# KiCad board mxm_immobilizer.kicad_pcb (continued)
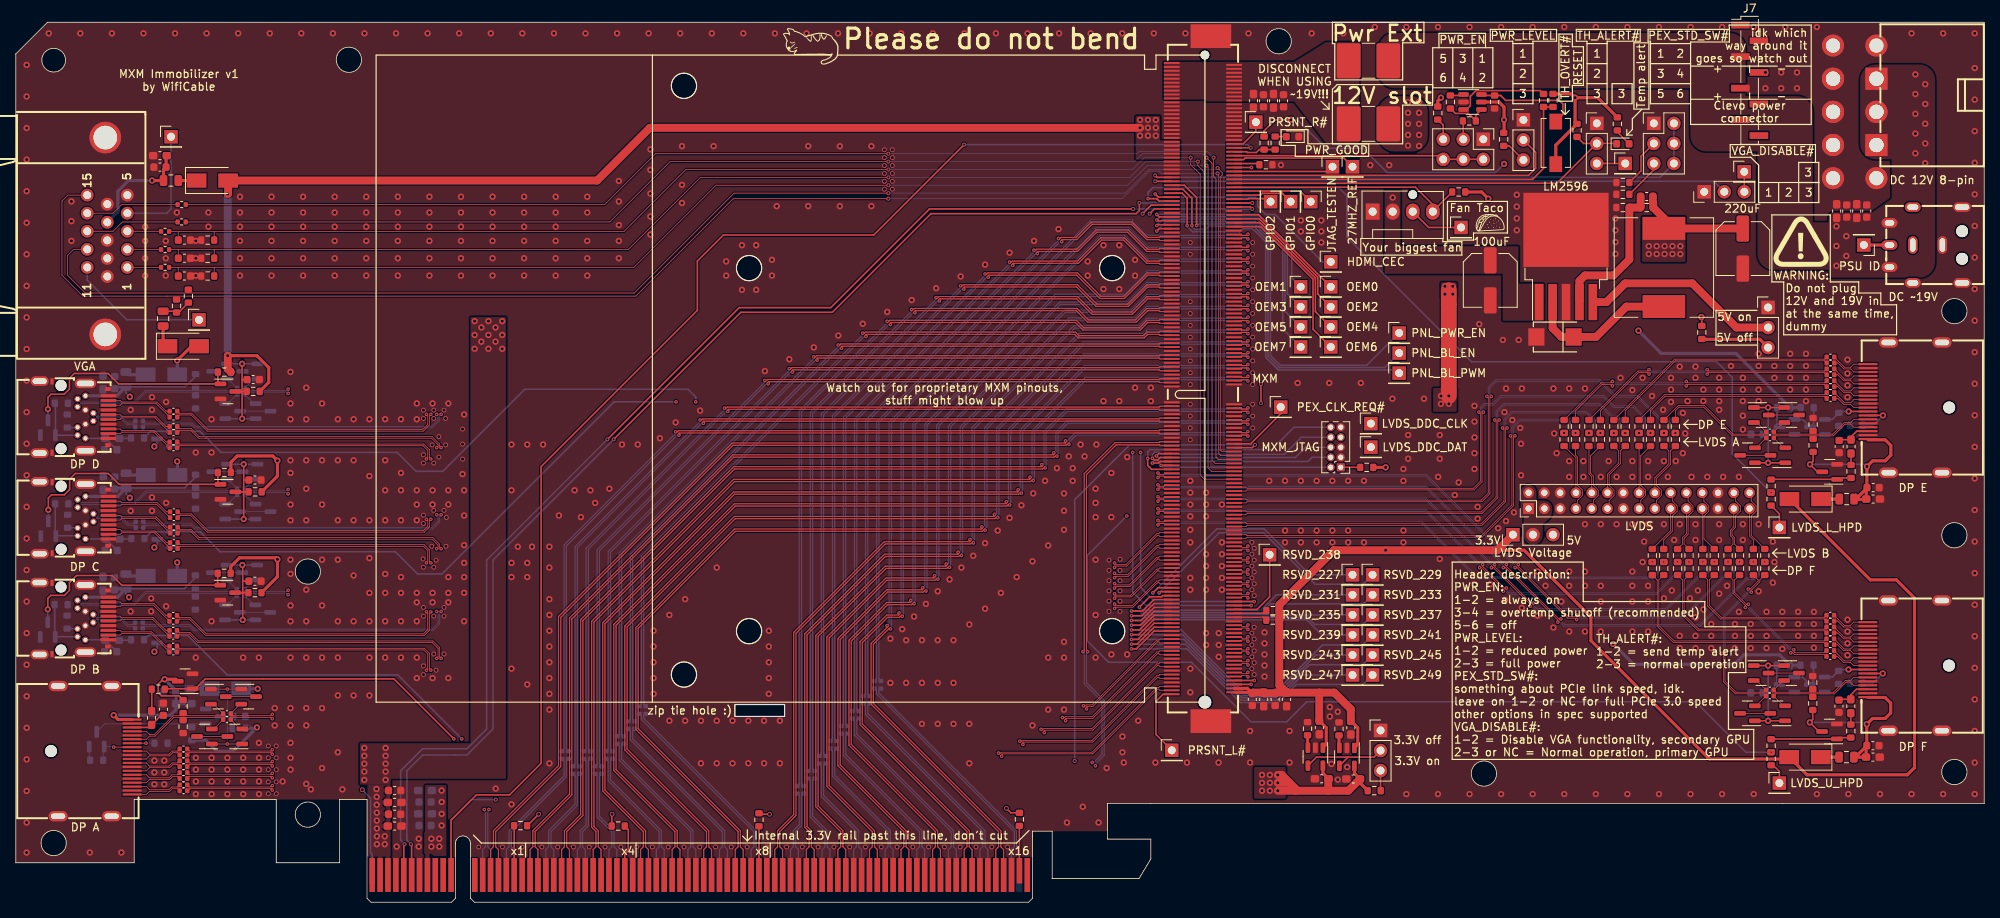
[diagram p0: board, top side]
## Placement (name value [footprint] x y rotation side) (continued)
TP7  HDMI_CEC  [PinHeader_1x01_P2.54mm_Vertical]  166.59 81.15 0 top
TP8  OEM1  [PinHeader_1x01_P2.54mm_Vertical]  162.78 77.98 0 top
TP9  OEM3  [PinHeader_1x01_P2.54mm_Vertical]  162.78 75.44 0 top
TP10  OEM5  [PinHeader_1x01_P2.54mm_Vertical]  162.78 72.9 0 top
TP11  OEM7  [PinHeader_1x01_P2.54mm_Vertical]  162.78 70.36 0 top
TP12  RSVD_227  [PinHeader_1x01_P2.54mm_Vertical]  169.35 41.49 0 top
TP13  RSVD_229  [PinHeader_1x01_P2.54mm_Vertical]  171.89 41.49 0 top
TP14  RSVD_231  [PinHeader_1x01_P2.54mm_Vertical]  169.35 38.95 0 top
TP15  RSVD_233  [PinHeader_1x01_P2.54mm_Vertical]  171.89 38.95 0 top
TP16  RSVD_235  [PinHeader_1x01_P2.54mm_Vertical]  169.35 36.41 0 top
TP17  RSVD_237  [PinHeader_1x01_P2.54mm_Vertical]  171.89 36.41 0 top
TP18  RSVD_239  [PinHeader_1x01_P2.54mm_Vertical]  169.35 33.87 0 top
TP19  RSVD_241  [PinHeader_1x01_P2.54mm_Vertical]  171.89 33.87 0 top
TP20  RSVD_243  [PinHeader_1x01_P2.54mm_Vertical]  169.35 31.33 0 top
TP21  RSVD_245  [PinHeader_1x01_P2.54mm_Vertical]  171.89 31.33 0 top
TP22  RSVD_247  [PinHeader_1x01_P2.54mm_Vertical]  169.35 28.79 0 top
TP23  RSVD_249  [PinHeader_1x01_P2.54mm_Vertical]  171.89 28.79 0 top
TP24  PRSNT_L#  [PinHeader_1x01_P2.54mm_Vertical]  146.45 19.25 0 top
TP25  RSVD_238  [PinHeader_1x01_P2.54mm_Vertical]  158.85 44.03 0 top
TP26  PRSNT_R#  [PinHeader_1x01_P2.54mm_Vertical]  157.1 98.85 0 top
TP27  27MHZ_REF  [PinHeader_1x01_P2.54mm_Vertical]  169.35 93.2 0 top
TP28  JTAG_TESTEN  [PinHeader_1x01_P2.54mm_Vertical]  166.81 93.2 0 top
TP29  GPIO0  [PinHeader_1x01_P2.54mm_Vertical]  164.05 88.77 270 top
TP30  GPIO1  [PinHeader_1x01_P2.54mm_Vertical]  161.51 88.77 270 top
TP31  GPIO2  [PinHeader_1x01_P2.54mm_Vertical]  158.97 88.77 270 top
TP32  OEM0  [PinHeader_1x01_P2.54mm_Vertical]  166.59 77.98 0 top
TP33  OEM2  [PinHeader_1x01_P2.54mm_Vertical]  166.59 75.44 0 top
TP34  OEM4  [PinHeader_1x01_P2.54mm_Vertical]  166.59 72.9 0 top
TP35  OEM6  [PinHeader_1x01_P2.54mm_Vertical]  166.59 70.36 0 top
TP36  PEX_CLK_REQ#  [PinHeader_1x01_P2.54mm_Vertical]  160.25 62.74 0 top
TP37  Fan_Taco  [PinHeader_1x01_P2.54mm_Vertical]  183.1 85.5 0 top
TP38  TH_ALERT#_POS2  [PinHeader_1x01_P2.54mm_Vertical]  203.9 93.61 0 top
TP39  PSU_ID  [PinHeader_1x01_P2.54mm_Vertical]  234.13 83.28 180 top
TP40  LVDS_DDC_CLK  [PinHeader_1x01_P2.54mm_Vertical]  171.67 60.65 0 top
TP41  LVDS_DDC_DAT  [PinHeader_1x01_P2.54mm_Vertical]  171.67 57.66 0 top
TP42  LVDS_U_HPD  [PinHeader_1x01_P2.54mm_Vertical]  223.43 15.1 0 top
TP43  LVDS_L_HPD  [PinHeader_1x01_P2.54mm_Vertical]  223.43 47.49 0 top
U1  sy6280  [SOT-23-5]  168.64 18.41 270 top
U2  sy6280  [SOT-23-5]  164.65 18.44 270 top
U3  74LVC1G373  [SOT-23-6]  184.55 101.4 0 top
U4  LM2596S-5  [TO-263-5_TabPin3]  196.4 81.82 90 top
VGA1  DB15_Female_HighDensity_MountingHoles  [DSUB-TH_DS1038-15FBNSIA74-0CC]  11.59 84.42 270 top

## Library data of the parts
8-Pin-PWR1 8-Pin-PWR1#2 = -: JLC Part: Extended Part; LCSC Part: C2845789; Manufacturer: HCTL(华灿天禄)
C1-C116 = -: ki_fp_filters: C_*
C117-C148 = -: Description: Unpolarized capacitor, small symbol; ki_fp_filters: C_*
D1-D6 D16 D17 = -: ki_fp_filters: TO-???* *_Diode_* *SingleDiode* D_*
D11 D12 = -: ki_fp_filters: LED* LED_SMD:* LED_THT:*
D15 = -: Datasheet: https://lcsc.com/product-detail/Diodes-General-Purpose_SS52_C51497.html; JLC Part: Extended Part; LCSC Part: C51497; Manufacturer: MDD
DC1 = -: JLC Part: Extended Part; LCSC Part: C397340; Manufacturer: XKB Connectivity(中国星坤)
DP_A1 DP_E1 DP_F1 = -: Datasheet: https://lcsc.com/product-detail/Audio-Video-Connectors_HOAUC-HYC16-DP20-178_C711350.html; JLC Part: Extended Part; LCSC Part: C711350; Manufacturer: HOAUC
F1-F8 = -: ki_fp_filters: *polyfuse* *PTC*
FB1-FB5 = -: ki_fp_filters: Inductor_* L_* *Ferrite*
J1 J5 = -: ki_fp_filters: Connector*:*_2x??_*
J2-J4 J6 J7 J9-J11 = -: ki_fp_filters: Connector*:*_1x??_*
J8 = -: Datasheet: http://infocenter.arm.com/help/topic/com.arm.doc.ddi0314h/DDI0314H_coresight_components_trm.pdf; ki_fp_filters: PinHeader?2x05?P1.27mm*
L1-L7 = -: ki_fp_filters: Choke_* *Coil* Inductor_* L_*
M1 = -: Datasheet: http://www.formfactors.org/developer%5Cspecs%5Crev1_2_public.pdf; ki_fp_filters: FanPinHeader*P2.54mm*Vertical* PinHeader*P2.54mm*Vertical* TerminalBlock*
mDP_B1 mDP_C1 mDP_D1 = -: JLC Part: Extended Part; LCSC Part: C2895506; Manufacturer: FOXCONN(富士康)
MXM1 = -: JLC Part: Extended Part; LCSC Part: C426232; Manufacturer: FOXCONN(富士康)
PCIe_x16_1 = -: Datasheet: http://www.ritrontek.com/uploadfile/2016/1026/20161026105231124.pdf#page=63; ki_fp_filters: *PCIexpress*
Q1-Q36 = -: Datasheet: https://www.onsemi.com/pub/Collateral/NDS7002A-D.PDF; ki_fp_filters: SOT?23*
R1-R121 = -: ki_fp_filters: R_*
TP1-TP43 = -: ki_fp_filters: Pin* Test*
U1 U2 = -: ki_fp_filters: SOT?23*
U3 = -: Datasheet: http://www.ti.com/lit/sg/scyt129e/scyt129e.pdf; ki_fp_filters: SOT* SC*
U4 = -: Datasheet: http://www.ti.com/lit/ds/symlink/lm2596.pdf; ki_fp_filters: TO?263*
VGA1 = -: ki_fp_filters: DSUB*Female*

## Footprints (pads in the part's own frame, mm; a bottom-side part is the same pattern mirrored in y, then rotated)
BUS_PCIexpress_x16
  rect 0.7x3.2 smd far side: A1(0,0.55)
  rect 0.7x4.3 smd far side: A2(1,0) A3(2,0) A4(3,0) A5(4,0) A6(5,0) A7(6,0) A8(7,0) A9(8,0) A10(9,0) A11(10,0) A12(13,0) A13(14,0) A14(15,0) A15(16,0) A16(17,0) A17(18,0) A18(19,0) A19(20,0) A20(21,0) A21(22,0) A22(23,0) A23(24,0) A24(25,0) A25(26,0) A26(27,0) A27(28,0) A28(29,0) A29(30,0) A30(31,0) A31(32,0) A32(33,0) A33(34,0) A34(35,0) A35(36,0) A36(37,0) A37(38,0) A38(39,0) A39(40,0) A40(41,0) A41(42,0) A42(43,0) A43(44,0) A44(45,0) A45(46,0) A46(47,0) A47(48,0) A48(49,0) A49(50,0) A50(51,0) A51(52,0) A52(53,0) A53(54,0) A54(55,0) A55(56,0) A56(57,0) A57(58,0) A58(59,0) A59(60,0) A60(61,0) A61(62,0) A62(63,0) A63(64,0) A64(65,0) A65(66,0) A66(67,0) A67(68,0) A68(69,0) A69(70,0) A70(71,0) A71(72,0) A72(73,0) A73(74,0) A74(75,0) A75(76,0) A76(77,0) A77(78,0) A78(79,0) A79(80,0) A80(81,0) A81(82,0) A82(83,0)
  rect 0.7x4.3 smd: B1(0,0) B2(1,0) B3(2,0) B4(3,0) B5(4,0) B6(5,0) B7(6,0) B8(7,0) B9(8,0) B10(9,0) B11(10,0) B12(13,0) B13(14,0) B14(15,0) B15(16,0) B16(17,0) B17(18,0) B18(19,0) B19(20,0) B20(21,0) B21(22,0) B22(23,0) B23(24,0) B24(25,0) B25(26,0) B26(27,0) B27(28,0) B28(29,0) B29(30,0) B30(31,0) B31(32,0) B32(33,0) B33(34,0) B34(35,0) B35(36,0) B36(37,0) B37(38,0) B38(39,0) B39(40,0) B40(41,0) B41(42,0) B42(43,0) B43(44,0) B44(45,0) B45(46,0) B46(47,0) B47(48,0) B48(49,0) B49(50,0) B50(51,0) B51(52,0) B52(53,0) B53(54,0) B54(55,0) B55(56,0) B56(57,0) B57(58,0) B58(59,0) B59(60,0) B60(61,0) B61(62,0) B62(63,0) B63(64,0) B64(65,0) B65(66,0) B66(67,0) B67(68,0) B68(69,0) B69(70,0) B70(71,0) B71(72,0) B72(73,0) B73(74,0) B74(75,0) B75(76,0) B76(77,0) B77(78,0) B78(79,0) B79(80,0) B80(81,0) B82(83,0)
  rect 0.7x3.2 smd: B81(82,0.55)
C_0402_1005Metric
  rrect 0.56x0.62 smd: 1(-0.48,0) 2(0.48,0)
C_0603_1608Metric
  rrect 0.9x0.95 smd: 1(-0.775,0) 2(0.775,0)
C_0603_1608Metric_Pad1.08x0.95mm_HandSolder
  rrect 1.075x0.95 smd: 1(-0.863,0) 2(0.863,0)
C_Elec_6.3x7.7
  rrect 3.325x1.6 smd: 1(-2.538,0) 2(2.538,0)
CONN-SMD_3VM11201-D730-7H
  round 1.4 hole 1.4: (-4,-1.64) (4,-1.64)
  oval 1.2x2.3 hole 0.7x1.8: 0(-4.56,-4.36) 0(4.56,-4.36)
  rect 0.8x0.4 smd: 0(-4.52,-2.78) 0(4.52,-2.78)
  oval 1.2x2.7 hole 0.7x2.2: 0(-4.26,1.45) 0(4.26,1.45)
  rect 0.5x0.7 smd: 0(-3.55,4.3) 0(3.55,4.3)
  rect 0.4x2 smd: 1(2.7,4.36) 3(2.1,4.36) 5(1.5,4.36) 7(0.9,4.36) 9(0.3,4.36) 11(-0.3,4.36) 13(-0.9,4.36) 15(-1.5,4.36) 17(-2.1,4.36) 19(-2.7,4.36)
  round 0.8 hole 0.5: 2(2.7,1.45) 4(2.3,0.45) 6(1.3,0.45) 8(0.9,1.45) 10(0.5,2.45) 12(-0.5,2.45) 14(-0.9,1.45) 16(-1.3,0.45) 18(-2.3,0.45) 20(-2.7,1.45)
CONN-SMD_AS0B826-S78B-7H
  round 1.1 hole 1.1: (-41,0.25)
  round 1.6 hole 1.6: (41,0.25)
  rect 0.25x2 smd: 1(-30,-3.95) 2(-29.75,3.95) 3(-29.5,-3.95) 4(-29.25,3.95) 5(-29,-3.95) 6(-28.75,3.95) 7(-28.5,-3.95) 8(-28.25,3.95) 9(-28,-3.95) 10(-27.75,3.95) 11(-27.5,-3.95) 12(-27.25,3.95) 13(-27,-3.95) 14(-26.75,3.95) 15(-26.5,-3.95) 16(-26.25,3.95) 17(-26,-3.95) 18(-25.75,3.95) 19(-25.5,-3.95) 20(-25.25,3.95) 21(-25,-3.95) 22(-24.75,3.95) 23(-24.5,-3.95) 24(-24.25,3.95) 25(-24,-3.95) 26(-23.75,3.95) 27(-23.5,-3.95) 28(-23.25,3.95) 29(-23,-3.95) 30(-22.75,3.95) 31(-22.5,-3.95) 32(-22.25,3.95) 33(-22,-3.95) 34(-21.75,3.95) 35(-21.5,-3.95) 36(-21.25,3.95) 37(-21,-3.95) 38(-20.75,3.95) 39(-20.5,-3.95) 40(-20.25,3.95) 41(-20,-3.95) 42(-19.75,3.95) 43(-19.5,-3.95) 44(-19.25,3.95) 45(-19,-3.95) 46(-18.75,3.95) 47(-18.5,-3.95) 48(-18.25,3.95) 49(-18,-3.95) 50(-17.75,3.95) 51(-17.5,-3.95) 52(-17.25,3.95) 53(-17,-3.95) 54(-16.75,3.95) 55(-16.5,-3.95) 56(-16.25,3.95) 57(-16,-3.95) 58(-15.75,3.95) 59(-15.5,-3.95) 60(-15.25,3.95) 61(-15,-3.95) 62(-14.75,3.95) 63(-14.5,-3.95) 64(-14.25,3.95) 65(-14,-3.95) 66(-13.75,3.95) 67(-13.5,-3.95) 68(-13.25,3.95) 69(-13,-3.95) 70(-12.75,3.95) 71(-12.5,-3.95) 72(-12.25,3.95) 73(-12,-3.95) 74(-11.75,3.95) 75(-11.5,-3.95) 76(-11.25,3.95) 77(-11,-3.95) 78(-10.75,3.95) 79(-10.5,-3.95) 80(-10.25,3.95) 81(-10,-3.95) 82(-9.75,3.95) 83(-9.5,-3.95) 84(-9.25,3.95) 85(-9,-3.95) 86(-8.75,3.95) 87(-8.5,-3.95) 88(-8.25,3.95) 89(-8,-3.95) 90(-7.75,3.95) 91(-7.5,-3.95) 92(-7.25,3.95) 93(-7,-3.95) 94(-6.75,3.95) 95(-6.5,-3.95) 96(-6.25,3.95) 97(-6,-3.95) 98(-5.75,3.95) 99(-5.5,-3.95) 100(-5.25,3.95) 101(-5,-3.95) 102(-4.75,3.95) 103(-4.5,-3.95) 104(-4.25,3.95) 105(-4,-3.95) 106(-3.75,3.95) 107(-3.5,-3.95) 108(-3.25,3.95) 109(-3,-3.95) 110(-2.75,3.95) 111(-2.5,-3.95) 112(-2.25,3.95) 113(-2,-3.95) 114(-1.75,3.95) 115(-1.5,-3.95) 116(-1.25,3.95) 117(-1,-3.95) 118(-0.75,3.95) 119(-0.5,-3.95) 120(-0.25,3.95) 121(0,-3.95) 122(0.25,3.95) 123(0.5,-3.95) 124(0.75,3.95) 125(1,-3.95) 133(3,-3.95) 134(3.25,3.95) 135(3.5,-3.95) 136(3.75,3.95) 137(4,-3.95) 138(4.25,3.95) 139(4.5,-3.95) 140(4.75,3.95) 141(5,-3.95) 142(5.25,3.95) 143(5.5,-3.95) 144(5.75,3.95) 145(6,-3.95) 146(6.25,3.95) 147(6.5,-3.95) 148(6.75,3.95) 149(7,-3.95) 150(7.25,3.95) 151(7.5,-3.95) 152(7.75,3.95) 153(8,-3.95) 154(8.25,3.95) 155(8.5,-3.95) 156(8.75,3.95) 157(9,-3.95) 158(9.25,3.95) 159(9.5,-3.95) 160(9.75,3.95) 161(10,-3.95) 162(10.25,3.95) 163(10.5,-3.95) 164(10.75,3.95) 165(11,-3.95) 166(11.25,3.95) 167(11.5,-3.95) 168(11.75,3.95) 169(12,-3.95) 170(12.25,3.95) 171(12.5,-3.95) 172(12.75,3.95) 173(13,-3.95) 174(13.25,3.95) 175(13.5,-3.95) 176(13.75,3.95) 177(14,-3.95) 178(14.25,3.95) 179(14.5,-3.95) 180(14.75,3.95) 181(15,-3.95) 182(15.25,3.95) 183(15.5,-3.95) 184(15.75,3.95) 185(16,-3.95) 186(16.25,3.95) 187(16.5,-3.95) 188(16.75,3.95) 189(17,-3.95) 190(17.25,3.95) 191(17.5,-3.95) 192(17.75,3.95) 193(18,-3.95) 194(18.25,3.95) 195(18.5,-3.95) 196(18.75,3.95) 197(19,-3.95) 198(19.25,3.95) 199(19.5,-3.95) 200(19.75,3.95) 201(20,-3.95) 202(20.25,3.95) 203(20.5,-3.95) 204(20.75,3.95) 205(21,-3.95) 206(21.25,3.95) 207(21.5,-3.95) 208(21.75,3.95) 209(22,-3.95) 210(22.25,3.95) 211(22.5,-3.95) 212(22.75,3.95) 213(23,-3.95) 214(23.25,3.95) 215(23.5,-3.95) 216(23.75,3.95) 217(24,-3.95) 218(24.25,3.95) 219(24.5,-3.95) 220(24.75,3.95) 221(25,-3.95) 222(25.25,3.95) 223(25.5,-3.95) 224(25.75,3.95) 225(26,-3.95) 226(26.25,3.95) 227(26.5,-3.95) 228(26.75,3.95) 229(27,-3.95) 230(27.25,3.95) 231(27.5,-3.95) 232(27.75,3.95) 233(28,-3.95) 234(28.25,3.95) 235(28.5,-3.95) 236(28.75,3.95) 237(29,-3.95) 238(29.25,3.95) 239(29.5,-3.95) 240(29.75,3.95) 241(30,-3.95) 242(30.25,3.95) 243(30.5,-3.95) 244(30.75,3.95) 245(31,-3.95) 246(31.25,3.95) 247(31.5,-3.95) 248(31.75,3.95) 249(32,-3.95) 250(32.25,3.95) 251(32.5,-3.95) 252(32.75,3.95) 253(33,-3.95) 254(33.25,3.95) 255(33.5,-3.95) 256(33.75,3.95) 257(34,-3.95) 258(34.25,3.95) 259(34.5,-3.95) 260(34.75,3.95) 261(35,-3.95) 262(35.25,3.95) 263(35.5,-3.95) 264(35.75,3.95) 265(36,-3.95) 266(36.25,3.95) 267(36.5,-3.95) 268(36.75,3.95) 269(37,-3.95) 270(37.25,3.95) 271(37.5,-3.95) 272(37.75,3.95) 273(38,-3.95) 274(38.25,3.95) 275(38.5,-3.95) 276(38.75,3.95) 277(39,-3.95) 278(39.25,3.95) 279(39.5,-3.95) 280(39.75,3.95) 281(40,-3.95) E1(-40,-3.95) E1(-39.5,-3.95) E1(-39,-3.95) E1(-38.5,-3.95) E1(-38,-3.95) E1(-37.5,-3.95) E1(-37,-3.95) E1(-36.5,-3.95) E1(-36,-3.95) E1(-35.5,-3.95) E2(-39.75,3.95) E2(-39.25,3.95) E2(-38.75,3.95) E2(-38.25,3.95) E2(-37.75,3.95) E2(-37.25,3.95) E2(-36.75,3.95) E2(-36.25,3.95) E2(-35.75,3.95) E2(-35.25,3.95) E3(-35,-3.95) E3(-34.5,-3.95) E3(-34,-3.95) E3(-33.5,-3.95) E3(-33,-3.95) E3(-32.5,-3.95) E3(-32,-3.95) E3(-31.5,-3.95) E3(-31,-3.95) E3(-30.5,-3.95) E4(-34.75,3.95) E4(-34.25,3.95) E4(-33.75,3.95) E4(-33.25,3.95) E4(-32.75,3.95) E4(-32.25,3.95) E4(-31.75,3.95) E4(-31.25,3.95) E4(-30.75,3.95) E4(-30.25,3.95)
  rect 3x5.15 smd: 282(43.4,1) 283(-43.4,1)
CONN-TH_8P-P4.20_5557-2X4AW
  rect 2.8x2.8 hole 1.8: 1(-6.3,-2.75)
  round 2.8 hole 1.8: 2(-6.3,2.75) 3(-2.1,-2.75) 4(-2.1,2.75) 5(2.1,-2.75) 6(2.1,2.75) 7(6.3,-2.75) 8(6.3,2.75)
D_SMA
  rect 2.5x1.8 smd: 1(-2,0) 2(2,0)
DC-IN-TH_DC-042E
  round 1.5 hole 1.5: (-1.75,-4.6) (1.75,-4.6)
  oval 1.2x2 hole 0.7x1.4: 1(-4.8,1.65) 1(4.8,1.65)
  oval 1.2x2.2 hole 0.7x1.8: 1(-4.8,-4.6) 1(4.8,-4.6)
  oval 2.2x1.2 hole 1.7x0.7: 2(0,1.65) 2(0,-2.1)
  oval 1.2x2 hole 0.7x1.2: 3(-2.8,4.6) 3(2.8,4.6) 4(0,4.6)
DP-SMD_HYC16-DP20-178
  round 1.5 hole 1.5: (0,-5.59)
  rect 0.28x2.4 smd: 1(5.5,4.69) 2(5,4.69) 3(4.5,4.69) 4(4,4.69) 5(3.5,4.69) 6(3,4.69) 7(2.5,4.69) 8(2,4.69) 9(1.5,4.69) 10(1,4.69) 11(0.5,4.69) 12(0,4.69) 13(-0.5,4.69) 14(-1,4.69) 15(-1.5,4.69) 16(-2,4.69) 17(-2.5,4.69) 18(-3,4.69) 19(-3.5,4.69) 20(-4,4.69)
  oval 1.3x2.4 hole 0.7x1.8: 21(-8.25,2.09) 22(-8.25,-4.69) 23(8.25,-4.69) 24(8.25,2.09)
DSUB-TH_DS1038-15FBNSIA74-0CC
  round 4 hole 3: 0(-12.47,-0.25) 0(12.47,-0.25)
  round 1.6 hole 1: 1(3.98,2.54) 2(1.69,2.54) 3(-0.6,2.54) 4(-2.89,2.54) 5(-5.18,2.54) 6(5.13,0) 7(2.84,0) 8(0.55,0) 9(-1.74,0) 10(-4.04,0) 11(3.98,-2.54) 12(1.69,-2.54) 13(-0.6,-2.54) 14(-2.89,-2.54) 15(-5.18,-2.54)
FanPinHeader_1x04_P2.54mm_Vertical
  round 1.1 hole 1.1 unplated: (5.08,2.16)
  rect 1.73x2.03 hole 1.02: 1(0,0)
  oval 1.73x2.03 hole 1.02: 2(2.54,0) 3(5.08,0) 4(7.62,0)
Fuse_0805_2012Metric
  rrect 0.975x1.4 smd: 1(-0.938,0) 2(0.938,0)
L_12x12mm_H8mm
  rect 2.9x5.4 smd: 1(-4.95,0) 2(4.95,0)
L_0603_1608Metric_Pad1.05x0.95mm_HandSolder
  rrect 1.05x0.95 smd: 1(-0.875,0) 2(0.875,0)
LED_0603_1608Metric
  rrect 0.875x0.95 smd: 1(-0.787,0) 2(0.787,0)
PinHeader_1x01_P2.54mm_Vertical
  rect 1.7x1.7 hole 1: 1(0,0)
PinHeader_1x03_P2.54mm_Vertical
  rect 1.7x1.7 hole 1: 1(0,0)
  oval 1.7x1.7 hole 1: 2(0,-2.54) 3(0,-5.08)
PinHeader_1x08_P2.00mm_Vertical_SMD_Pin1Left
  rect 2.35x0.85 smd: 1(-1.175,7) 2(1.175,5) 3(-1.175,3) 4(1.175,1) 5(-1.175,-1) 6(1.175,-3) 7(-1.175,-5) 8(1.175,-7)
PinHeader_2x03_P2.54mm_Vertical
  rect 1.7x1.7 hole 1: 1(0,0)
  oval 1.7x1.7 hole 1: 2(2.54,0) 3(0,-2.54) 4(2.54,-2.54) 5(0,-5.08) 6(2.54,-5.08)
PinHeader_2x05_P1.27mm_Vertical
  rect 1x1 hole 0.65: 1(0,0)
  oval 1x1 hole 0.65: 2(1.27,0) 3(0,-1.27) 4(1.27,-1.27) 5(0,-2.54) 6(1.27,-2.54) 7(0,-3.81) 8(1.27,-3.81) 9(0,-5.08) 10(1.27,-5.08)
PinHeader_2x15_P2.00mm_Vertical
  rect 1.35x1.35 hole 0.8: 1(0,0)
  oval 1.35x1.35 hole 0.8: 2(2,0) 3(0,-2) 4(2,-2) 5(0,-4) 6(2,-4) 7(0,-6) 8(2,-6) 9(0,-8) 10(2,-8) 11(0,-10) 12(2,-10) 13(0,-12) 14(2,-12) 15(0,-14) 16(2,-14) 17(0,-16) 18(2,-16) 19(0,-18) 20(2,-18) 21(0,-20) 22(2,-20) 23(0,-22) 24(2,-22) 25(0,-24) 26(2,-24) 27(0,-26) 28(2,-26) 29(0,-28) 30(2,-28)
R_0402_1005Metric
  rrect 0.54x0.64 smd: 1(-0.51,0) 2(0.51,0)
R_0603_1608Metric
  rrect 0.8x0.95 smd: 1(-0.825,0) 2(0.825,0)
R_2816_7142Metric
  rrect 3.025x4.45 smd: 1(-2.513,0) 2(2.513,0)
SMB_L4.6-W3.6-LS5.3-RD
  rect 2.05x2.19 smd: 1(-2.36,0) 2(2.36,0)
SOT-23
  rrect 1.475x0.6 smd: 1(-0.938,0.95) 2(-0.938,-0.95) 3(0.938,0)
SOT-23-5
  rrect 1.325x0.6 smd: 1(-1.137,0.95) 2(-1.137,0) 3(-1.137,-0.95) 4(1.137,-0.95) 5(1.137,0.95)
SOT-23-6
  rrect 1.325x0.6 smd: 1(-1.137,0.95) 2(-1.137,0) 3(-1.137,-0.95) 4(1.137,-0.95) 5(1.137,0) 6(1.137,0.95)
SW_SPST_EVQPE1
  rect 2x1.6 smd: 1(-2.7,0) 2(2.7,0)
TO-263-5_TabPin3
  rect 4.55x5.25 smd: (0.95,2.775) (0.95,-2.775) (5.8,2.775) (5.8,-2.775)
  rect 4.6x1.1 smd: 1(-5.775,3.4) 2(-5.775,1.7) 3(-5.775,0) 4(-5.775,-1.7) 5(-5.775,-3.4)
  rect 9.4x10.8 smd: 3(3.375,0)

## Nets
3V3_CURRLIM: C66.1 C67.1 C68.1 C69.1 C72.1 C73.1 D2.2 D3.2 D4.2 D5.2 D6.2 D16.2 D17.2 J10.1 MXM1.278 MXM1.280 R37.2 R38.2 R100.2 U1.1 U2.1
3V3_DP_A: C7.1 C8.1 D10.3 DP_A1.20 F3.2 R31.1
3V3_DP_B: C6.2 C47.2 D9.3 F2.2 mDP_B1.20 R28.1
3V3_DP_C: C5.2 C46.2 D8.3 F5.2 mDP_C1.20 R25.1
3V3_DP_D: C4.2 C45.2 D7.3 F4.2 mDP_D1.20 R22.1
3V3_DP_E: C112.2 C113.2 D13.3 DP_E1.20 F7.2 R108.1
3V3_DP_F: C114.2 C115.2 D14.3 DP_F1.20 F8.2 R111.1
3V3_SLOT: C70.1 C71.1 C76.2 C81.2 C84.2 C86.2 PCIe_x16_1.A9 PCIe_x16_1.A10 PCIe_x16_1.B8 R41.2 R42.1 R43.1 R44.1 R45.1 R47.1 R71.1 R72.1 R101.2 SW1.1 U1.5 U2.5 U3.5
3V3_VGA: F6.2 R1.2 R2.1
5V_REG: C95.1 C116.2 D1.2 J10.3 L5.2 MXM1.1 MXM1.3 MXM1.5 MXM1.7 MXM1.9 R18.2 R19.2 R20.2 R21.2 R24.2 R27.2 R30.2 R33.2 R106.2 R109.2 R112.2 R113.2 R118.1
5V_VGA: C1.2 C2.2 F1.1 VGA1.9
12V_SLOT: C77.1 C82.1 C85.1 C87.1 C92.1 M1.2 PCIe_x16_1.A2 PCIe_x16_1.A3 PCIe_x16_1.B1 PCIe_x16_1.B2 PCIe_x16_1.B3 R36.1 U4.1
GND: 8-Pin-PWR1.2 8-Pin-PWR1.4 8-Pin-PWR1.6 8-Pin-PWR1.7 8-Pin-PWR1.8 8-Pin-PWR1#2.2 8-Pin-PWR1#2.4 8-Pin-PWR1#2.6 8-Pin-PWR1#2.7 8-Pin-PWR1#2.8 C1.1 C2.1 C3.1 C4.1 C5.1 C6.1 C7.2 C8.2 C17.2 C26.2 C35.2 C44.1 C45.1 C46.1 C47.1 C48.1 C49.1 C58.1 C59.1 C60.1 C61.1 C62.2 C63.2 C64.2 C65.2 C66.2 C67.2 C68.2 C69.2 C70.2 C71.2 C72.2 C73.2 C74.2 C75.2 C76.1 C77.2 C78.2 C79.1 C80.1 C81.1 C82.2 C83.2 C84.1 C85.2 C86.1 C87.2 C92.2 C93.1 C94.1 C95.2 C112.1 C113.1 C114.1 C115.1 D7.2 D8.2 D9.2 D10.2 D11.1 D13.2 D14.2 D15.2 DC1.1 DC1.2 DP_A1.2 DP_A1.5 DP_A1.8 DP_A1.11 DP_A1.16 DP_A1.19 DP_A1.21 DP_A1.22 DP_A1.23 DP_A1.24 DP_E1.2 DP_E1.5 DP_E1.8 DP_E1.11 DP_E1.16 DP_E1.19 DP_E1.21 DP_E1.22 DP_E1.23 DP_E1.24 DP_F1.2 DP_F1.5 DP_F1.8 DP_F1.11 DP_F1.16 DP_F1.19 DP_F1.21 DP_F1.22 DP_F1.23 DP_F1.24 J1.1 J2.1 J3.1 J4.1 J5.1 J6.1 J7.5 J7.6 J7.7 J7.8 J8.3 J8.5 J8.9 J9.1 J11.4 J11.5 J11.6 J11.13 J11.14 J11.25 J11.26 M1.1 mDP_B1.0 mDP_B1.1 mDP_B1.7 mDP_B1.8 mDP_B1.13 mDP_B1.14 mDP_B1.19 mDP_C1.0 mDP_C1.1 mDP_C1.7 mDP_C1.8 mDP_C1.13 mDP_C1.14 mDP_C1.19 mDP_D1.0 mDP_D1.1 mDP_D1.7 mDP_D1.8 mDP_D1.13 mDP_D1.14 mDP_D1.19 MXM1.11 MXM1.13 MXM1.15 MXM1.17 MXM1.36 MXM1.37 MXM1.46 MXM1.47 MXM1.52 MXM1.53 MXM1.58 MXM1.59 MXM1.64 MXM1.65 MXM1.70 MXM1.71 MXM1.76 MXM1.77 MXM1.82 MXM1.83 MXM1.88 MXM1.89 MXM1.94 MXM1.95 MXM1.100 MXM1.101 MXM1.106 MXM1.107 MXM1.112 MXM1.113 MXM1.118 MXM1.119 MXM1.124 MXM1.125 MXM1.133 MXM1.134 MXM1.139 MXM1.140 MXM1.145 MXM1.146 MXM1.151 MXM1.152 MXM1.157 MXM1.166 MXM1.173 MXM1.174 MXM1.179 MXM1.180 MXM1.185 MXM1.186 MXM1.191 MXM1.192 MXM1.197 MXM1.198 MXM1.203 MXM1.204 MXM1.209 MXM1.210 MXM1.215 MXM1.216 MXM1.221 MXM1.222 MXM1.228 MXM1.244 MXM1.250 MXM1.251 MXM1.256 MXM1.257 MXM1.262 MXM1.263 MXM1.268 MXM1.269 MXM1.275 MXM1.282 MXM1.283 MXM1.E3 MXM1.E4 PCIe_x16_1.A4 PCIe_x16_1.A12 PCIe_x16_1.A15 PCIe_x16_1.A18 PCIe_x16_1.A20 PCIe_x16_1.A23 PCIe_x16_1.A24 PCIe_x16_1.A27 PCIe_x16_1.A28 PCIe_x16_1.A31 PCIe_x16_1.A34 PCIe_x16_1.A37 PCIe_x16_1.A38 PCIe_x16_1.A41 PCIe_x16_1.A42 PCIe_x16_1.A45 PCIe_x16_1.A46 PCIe_x16_1.A49 PCIe_x16_1.A51 PCIe_x16_1.A54 PCIe_x16_1.A55 PCIe_x16_1.A58 PCIe_x16_1.A59 PCIe_x16_1.A62 PCIe_x16_1.A63 PCIe_x16_1.A66 PCIe_x16_1.A67 PCIe_x16_1.A70 PCIe_x16_1.A71 PCIe_x16_1.A74 PCIe_x16_1.A75 PCIe_x16_1.A78 PCIe_x16_1.A79 PCIe_x16_1.A82 PCIe_x16_1.B4 PCIe_x16_1.B7 PCIe_x16_1.B13 PCIe_x16_1.B16 PCIe_x16_1.B18 PCIe_x16_1.B21 PCIe_x16_1.B22 PCIe_x16_1.B25 PCIe_x16_1.B26 PCIe_x16_1.B29 PCIe_x16_1.B32 PCIe_x16_1.B35 PCIe_x16_1.B36 PCIe_x16_1.B39 PCIe_x16_1.B40 PCIe_x16_1.B43 PCIe_x16_1.B44 PCIe_x16_1.B47 PCIe_x16_1.B49 PCIe_x16_1.B52 PCIe_x16_1.B53 PCIe_x16_1.B56 PCIe_x16_1.B57 PCIe_x16_1.B60 PCIe_x16_1.B61 PCIe_x16_1.B64 PCIe_x16_1.B65 PCIe_x16_1.B68 PCIe_x16_1.B69 PCIe_x16_1.B72 PCIe_x16_1.B73 PCIe_x16_1.B76 PCIe_x16_1.B77 PCIe_x16_1.B80 Q1.2 Q2.2 Q3.2 Q4.2 Q5.2 Q6.2 Q7.2 Q8.2 Q33.2 Q34.2 Q35.2 Q36.2 R3.1 R7.1 R8.1 R9.1 R10.1 R11.1 R13.1 R14.1 R15.1 R16.1 R17.1 R23.2 R26.2 R29.2 R32.2 R34.1 R35.1 R39.2 R73.2 R74.1 R75.1 R107.2 R110.2 R114.2 R115.2 R119.1 R120.1 R121.2 U1.2 U2.2 U3.2 U4.3 VGA1.0 VGA1.5 VGA1.6 VGA1.7 VGA1.8 VGA1.10
/C_RX0+: C118.2 MXM1.147
/C_RX0-: C117.2 MXM1.149
/C_RX1+: C120.2 MXM1.141
/C_RX1-: C119.2 MXM1.143
/C_RX2+: C122.2 MXM1.135
/C_RX2-: C121.2 MXM1.137
/C_RX3+: C124.2 MXM1.121
/C_RX3-: C123.2 MXM1.123
/C_RX4+: C126.2 MXM1.115
/C_RX4-: C125.2 MXM1.117
/C_RX5+: C130.2 MXM1.109
/C_RX5-: C129.2 MXM1.111
/C_RX6+: C128.2 MXM1.103
/C_RX6-: C127.2 MXM1.105
/C_RX7+: C132.2 MXM1.97
/C_RX7-: C131.2 MXM1.99
/C_RX8+: C134.2 MXM1.91
/C_RX8-: C133.2 MXM1.93
/C_RX9+: C136.2 MXM1.85
/C_RX9-: C135.2 MXM1.87
/C_RX10+: C138.2 MXM1.79
/C_RX10-: C137.2 MXM1.81
/C_RX11+: C140.2 MXM1.73
/C_RX11-: C139.2 MXM1.75
/C_RX12+: C142.2 MXM1.67
/C_RX12-: C141.2 MXM1.69
/C_RX13+: C144.2 MXM1.61
/C_RX13-: C143.2 MXM1.63
/C_RX14+: C146.2 MXM1.55
/C_RX14-: C145.2 MXM1.57
/C_RX15+: C148.2 MXM1.49
/C_RX15-: C147.2 MXM1.51
/DP_A_C_AUX+: C57.2 DP_A1.15 Q16.2 R32.1
/DP_A_C_AUX-: C56.2 DP_A1.17 Q15.2 R31.2
/DP_A_C_L0+: C43.2 DP_A1.1
/DP_A_C_L0-: C42.2 DP_A1.3
/DP_A_C_L1+: C41.2 DP_A1.4
/DP_A_C_L1-: C40.2 DP_A1.6
/DP_A_C_L2+: C39.2 DP_A1.7
/DP_A_C_L2-: C38.2 DP_A1.9
/DP_A_C_L3+: C37.2 DP_A1.10
/DP_A_C_L3-: C36.2 DP_A1.12
/DP_B_C_AUX+: C55.2 mDP_B1.16 Q14.2 R29.1
/DP_B_C_AUX-: C54.2 mDP_B1.18 Q13.2 R28.2
/DP_B_C_L0+: C29.2 mDP_B1.12
/DP_B_C_L0-: C31.2 mDP_B1.10
/DP_B_C_L1+: C27.2 mDP_B1.17
/DP_B_C_L1-: C28.2 mDP_B1.15
/DP_B_C_L2+: C30.2 mDP_B1.11
/DP_B_C_L2-: C32.2 mDP_B1.9
/DP_B_C_L3+: C33.2 mDP_B1.5
/DP_B_C_L3-: C34.2 mDP_B1.3
/DP_C_C_AUX+: C53.2 mDP_C1.16 Q12.2 R26.1
/DP_C_C_AUX-: C52.2 mDP_C1.18 Q11.2 R25.2
/DP_C_C_L0+: C20.2 mDP_C1.12
/DP_C_C_L0-: C22.2 mDP_C1.10
/DP_C_C_L1+: C18.2 mDP_C1.17
/DP_C_C_L1-: C19.2 mDP_C1.15
/DP_C_C_L2+: C21.2 mDP_C1.11
/DP_C_C_L2-: C23.2 mDP_C1.9
/DP_C_C_L3+: C24.2 mDP_C1.5
/DP_C_C_L3-: C25.2 mDP_C1.3
/DP_D_C_AUX+: C51.2 mDP_D1.16 Q10.2 R23.1
/DP_D_C_AUX-: C50.2 mDP_D1.18 Q9.2 R22.2
/DP_D_C_L0+: C11.2 mDP_D1.12
/DP_D_C_L0-: C13.2 mDP_D1.10
/DP_D_C_L1+: C9.2 mDP_D1.17
/DP_D_C_L1-: C10.2 mDP_D1.15
/DP_D_C_L2+: C12.2 mDP_D1.11
/DP_D_C_L2-: C14.2 mDP_D1.9
/DP_D_C_L3+: C15.2 mDP_D1.5
/DP_D_C_L3-: C16.2 mDP_D1.3
/DP_E_C_AUX+: C88.2 DP_E1.15 Q29.2 R107.1
/DP_E_C_AUX-: C89.2 DP_E1.17 Q30.2 R108.2
/DP_E_C_L0+: C96.2 DP_E1.1
/DP_E_C_L0-: C97.2 DP_E1.3
/DP_E_C_L1+: C98.2 DP_E1.4
/DP_E_C_L1-: C99.2 DP_E1.6
/DP_E_C_L2+: C100.2 DP_E1.7
/DP_E_C_L2-: C101.2 DP_E1.9
/DP_E_C_L3+: C102.2 DP_E1.10
/DP_E_C_L3-: C103.2 DP_E1.12
/DP_F_C_AUX+: C90.2 DP_F1.15 Q31.2 R110.1
/DP_F_C_AUX-: C91.2 DP_F1.17 Q32.2 R111.2
/DP_F_C_L0+: C104.2 DP_F1.1
/DP_F_C_L0-: C105.2 DP_F1.3
/DP_F_C_L1+: C106.2 DP_F1.4
/DP_F_C_L1-: C107.2 DP_F1.6
/DP_F_C_L2+: C108.2 DP_F1.7
/DP_F_C_L2-: C109.2 DP_F1.9
/DP_F_C_L3+: C110.2 DP_F1.10
/DP_F_C_L3-: C111.2 DP_F1.12
/MXM_PWR_SRC: C62.1 C63.1 C64.1 C65.1 MXM1.E1 MXM1.E2 R36.2 R40.1
/RX0+: C118.1 PCIe_x16_1.A16
/RX0-: C117.1 PCIe_x16_1.A17
/RX1+: C120.1 PCIe_x16_1.A21
/RX1-: C119.1 PCIe_x16_1.A22
/RX2+: C122.1 PCIe_x16_1.A25
/RX2-: C121.1 PCIe_x16_1.A26
/RX3+: C124.1 PCIe_x16_1.A29
/RX3-: C123.1 PCIe_x16_1.A30
/RX4+: C126.1 PCIe_x16_1.A35
/RX4-: C125.1 PCIe_x16_1.A36
/RX5+: C130.1 PCIe_x16_1.A39
/RX5-: C129.1 PCIe_x16_1.A40
/RX6+: C128.1 PCIe_x16_1.A43
/RX6-: C127.1 PCIe_x16_1.A44
/RX7+: C132.1 PCIe_x16_1.A47
/RX7-: C131.1 PCIe_x16_1.A48
/RX8+: C134.1 PCIe_x16_1.A52
/RX8-: C133.1 PCIe_x16_1.A53
/RX9+: C136.1 PCIe_x16_1.A56
/RX9-: C135.1 PCIe_x16_1.A57
/RX10+: C138.1 PCIe_x16_1.A60
/RX10-: C137.1 PCIe_x16_1.A61
/RX11+: C140.1 PCIe_x16_1.A64
/RX11-: C139.1 PCIe_x16_1.A65
/RX12+: C142.1 PCIe_x16_1.A68
/RX12-: C141.1 PCIe_x16_1.A69
/RX13+: C144.1 PCIe_x16_1.A72
/RX13-: C143.1 PCIe_x16_1.A73
/RX14+: C146.1 PCIe_x16_1.A76
/RX14-: C145.1 PCIe_x16_1.A77
/RX15+: C148.1 PCIe_x16_1.A80
/RX15-: C147.1 PCIe_x16_1.A81
/TX0+: MXM1.148 PCIe_x16_1.B14
/TX0-: MXM1.150 PCIe_x16_1.B15
/TX1+: MXM1.142 PCIe_x16_1.B19
/TX1-: MXM1.144 PCIe_x16_1.B20
/TX2+: MXM1.136 PCIe_x16_1.B23
/TX2-: MXM1.138 PCIe_x16_1.B24
/TX3+: MXM1.120 PCIe_x16_1.B27
/TX3-: MXM1.122 PCIe_x16_1.B28
/TX4+: MXM1.114 PCIe_x16_1.B33
/TX4-: MXM1.116 PCIe_x16_1.B34
/TX5+: MXM1.108 PCIe_x16_1.B37
/TX5-: MXM1.110 PCIe_x16_1.B38
/TX6+: MXM1.102 PCIe_x16_1.B41
/TX6-: MXM1.104 PCIe_x16_1.B42
/TX7+: MXM1.96 PCIe_x16_1.B45
/TX7-: MXM1.98 PCIe_x16_1.B46
/TX8+: MXM1.90 PCIe_x16_1.B50
/TX8-: MXM1.92 PCIe_x16_1.B51
/TX9+: MXM1.84 PCIe_x16_1.B54
/TX9-: MXM1.86 PCIe_x16_1.B55
/TX10+: MXM1.78 PCIe_x16_1.B58
/TX10-: MXM1.80 PCIe_x16_1.B59
/TX11+: MXM1.72 PCIe_x16_1.B62
/TX11-: MXM1.74 PCIe_x16_1.B63
/TX12+: MXM1.66 PCIe_x16_1.B66
/TX12-: MXM1.68 PCIe_x16_1.B67
/TX13+: MXM1.60 PCIe_x16_1.B70
/TX13-: MXM1.62 PCIe_x16_1.B71
/TX14+: MXM1.54 PCIe_x16_1.B74
/TX14-: MXM1.56 PCIe_x16_1.B75
/TX15+: MXM1.48 PCIe_x16_1.B78
/TX15-: MXM1.50 PCIe_x16_1.B79
DP_A_AUX+: C57.1 MXM1.279 Q24.2
DP_A_AUX-: C56.1 MXM1.277 Q23.2
DP_A_HPD: D10.1 MXM1.276 R12.1
DP_A_L0+: C43.1 MXM1.255
DP_A_L0-: C42.1 MXM1.253
DP_A_L1+: C41.1 MXM1.261
DP_A_L1-: C40.1 MXM1.259
DP_A_L2+: C39.1 MXM1.267
DP_A_L2-: C38.1 MXM1.265
DP_A_L3+: C37.1 MXM1.273
DP_A_L3-: C36.1 MXM1.271
DP_B_AUX+: C55.1 MXM1.272 Q22.2
DP_B_AUX-: C54.1 MXM1.270 Q21.2
DP_B_HPD: D9.1 MXM1.274 R6.1
DP_B_L0+: C29.1 MXM1.248
DP_B_L0-: C31.1 MXM1.246
DP_B_L1+: C27.1 MXM1.254
DP_B_L1-: C28.1 MXM1.252
DP_B_L2+: C30.1 MXM1.260
DP_B_L2-: C32.1 MXM1.258
DP_B_L3+: C33.1 MXM1.266
DP_B_L3-: C34.1 MXM1.264
DP_C_AUX+: C53.1 MXM1.225 Q20.2
DP_C_AUX-: C52.1 MXM1.223 Q19.2
DP_C_HPD: D8.1 MXM1.234 R5.1
DP_C_L0+: C20.1 MXM1.201
DP_C_L0-: C22.1 MXM1.199
DP_C_L1+: C18.1 MXM1.207
DP_C_L1-: C19.1 MXM1.205
DP_C_L2+: C21.1 MXM1.213
DP_C_L2-: C23.1 MXM1.211
DP_C_L3+: C24.1 MXM1.219
DP_C_L3-: C25.1 MXM1.217
DP_D_AUX+: C51.1 MXM1.232 Q18.2
DP_D_AUX-: C50.1 MXM1.230 Q17.2
DP_D_HPD: D7.1 MXM1.236 R4.1
DP_D_L0+: C11.1 MXM1.208
DP_D_L0-: C13.1 MXM1.206
DP_D_L1+: C9.1 MXM1.214
DP_D_L1-: C10.1 MXM1.212
DP_D_L2+: C12.1 MXM1.220
DP_D_L2-: C14.1 MXM1.218
DP_D_L3+: C15.1 MXM1.226
DP_D_L3-: C16.1 MXM1.224
DP_E_AUX+: C88.1 Q25.2 R56.2
DP_E_AUX-: C89.1 Q26.2 R55.2
DP_E_HPD: D13.1 R49.2 R116.1
DP_E_L0+: C96.1 R60.2
DP_E_L0-: C97.1 R59.2
DP_E_L1+: C98.1 R64.2
DP_E_L1-: C99.1 R63.2
DP_E_L2+: C100.1 R68.2
DP_E_L2-: C101.1 R67.2
DP_E_L3+: C102.1 R52.2
DP_E_L3-: C103.1 R51.2
DP_F_AUX+: C90.1 Q27.2 R85.2
DP_F_AUX-: C91.1 Q28.2 R84.2
DP_F_HPD: D14.1 R78.2 R117.1
DP_F_L0+: C104.1 R89.2
DP_F_L0-: C105.1 R88.2
DP_F_L1+: C106.1 R93.2
DP_F_L1-: C107.1 R92.2
DP_F_L2+: C108.1 R97.2
DP_F_L2-: C109.1 R96.2
DP_F_L3+: C110.1 R81.2
DP_F_L3-: C111.1 R80.2
FAN_PWM: M1.4 MXM1.24 R42.2
JTAG_TCLK: J8.4 MXM1.163
JTAG_TDI: J8.8 MXM1.161
JTAG_TDO: J8.6 MXM1.159
JTAG_TMS: J8.2 MXM1.165
JTAG_TRST#: J8.10 MXM1.167
LVDS_DDC_CLK: MXM1.35 TP40.1
LVDS_DDC_DAT: MXM1.33 TP41.1
LVDS_L_HPD: R50.2 TP43.1
LVDS_L_HPD/DP_E_HPD: MXM1.31 R49.1 R50.1
LVDS_LCLK+: J11.16 R54.2
LVDS_LCLK-: J11.15 R53.2
LVDS_LCLK/DP_E_L3+: MXM1.178 R52.1 R54.1
LVDS_LCLK/DP_E_L3-: MXM1.176 R51.1 R53.1
LVDS_LTX0+: J11.8 R70.2
LVDS_LTX0-: J11.7 R69.2
LVDS_LTX0/DP_E_L2+: MXM1.202 R68.1 R70.1
LVDS_LTX0/DP_E_L2-: MXM1.200 R67.1 R69.1
LVDS_LTX1+: J11.10 R66.2
LVDS_LTX1-: J11.9 R65.2
LVDS_LTX1/DP_E_L1+: MXM1.196 R64.1 R66.1
LVDS_LTX1/DP_E_L1-: MXM1.194 R63.1 R65.1
LVDS_LTX2+: J11.12 R62.2
LVDS_LTX2-: J11.11 R61.2
LVDS_LTX2/DP_E_L0+: MXM1.190 R60.1 R62.1
LVDS_LTX2/DP_E_L0-: MXM1.188 R59.1 R61.1
LVDS_LTX3+: J11.18 R58.2
LVDS_LTX3-: J11.17 R57.2
LVDS_LTX3/DP_E_AUX+: MXM1.184 R56.1 R58.1
LVDS_LTX3/DP_E_AUX-: MXM1.182 R55.1 R57.1
LVDS_U_HPD: R79.2 TP42.1
LVDS_U_HPD/DP_F_HPD: MXM1.14 R78.1 R79.1
LVDS_UCLK+: J11.28 R83.2
LVDS_UCLK-: J11.27 R82.2
LVDS_UCLK/DP_F_L3+: MXM1.171 R81.1 R83.1
LVDS_UCLK/DP_F_L3-: MXM1.169 R80.1 R82.1
LVDS_UTX0+: J11.20 R99.2
LVDS_UTX0-: J11.19 R98.2
LVDS_UTX0/DP_F_L2+: MXM1.195 R97.1 R99.1
LVDS_UTX0/DP_F_L2-: MXM1.193 R96.1 R98.1
LVDS_UTX1+: J11.22 R95.2
LVDS_UTX1-: J11.21 R94.2
LVDS_UTX1/DP_F_L1+: MXM1.189 R93.1 R95.1
LVDS_UTX1/DP_F_L1-: MXM1.187 R92.1 R94.1
LVDS_UTX2+: J11.24 R91.2
LVDS_UTX2-: J11.23 R90.2
LVDS_UTX2/DP_F_L0+: MXM1.183 R89.1 R91.1
LVDS_UTX2/DP_F_L0-: MXM1.181 R88.1 R90.1
LVDS_UTX3+: J11.30 R87.2
LVDS_UTX3-: J11.29 R86.2
LVDS_UTX3/DP_F_AUX+: MXM1.177 R85.1 R87.1
LVDS_UTX3/DP_F_AUX-: MXM1.175 R84.1 R86.1
LVDS_VCC: J10.2 J11.1 J11.2 J11.3
PERST#: MXM1.156 PCIe_x16_1.A11
